# Altium PCB sna_pcb.PcbDoc (continued)
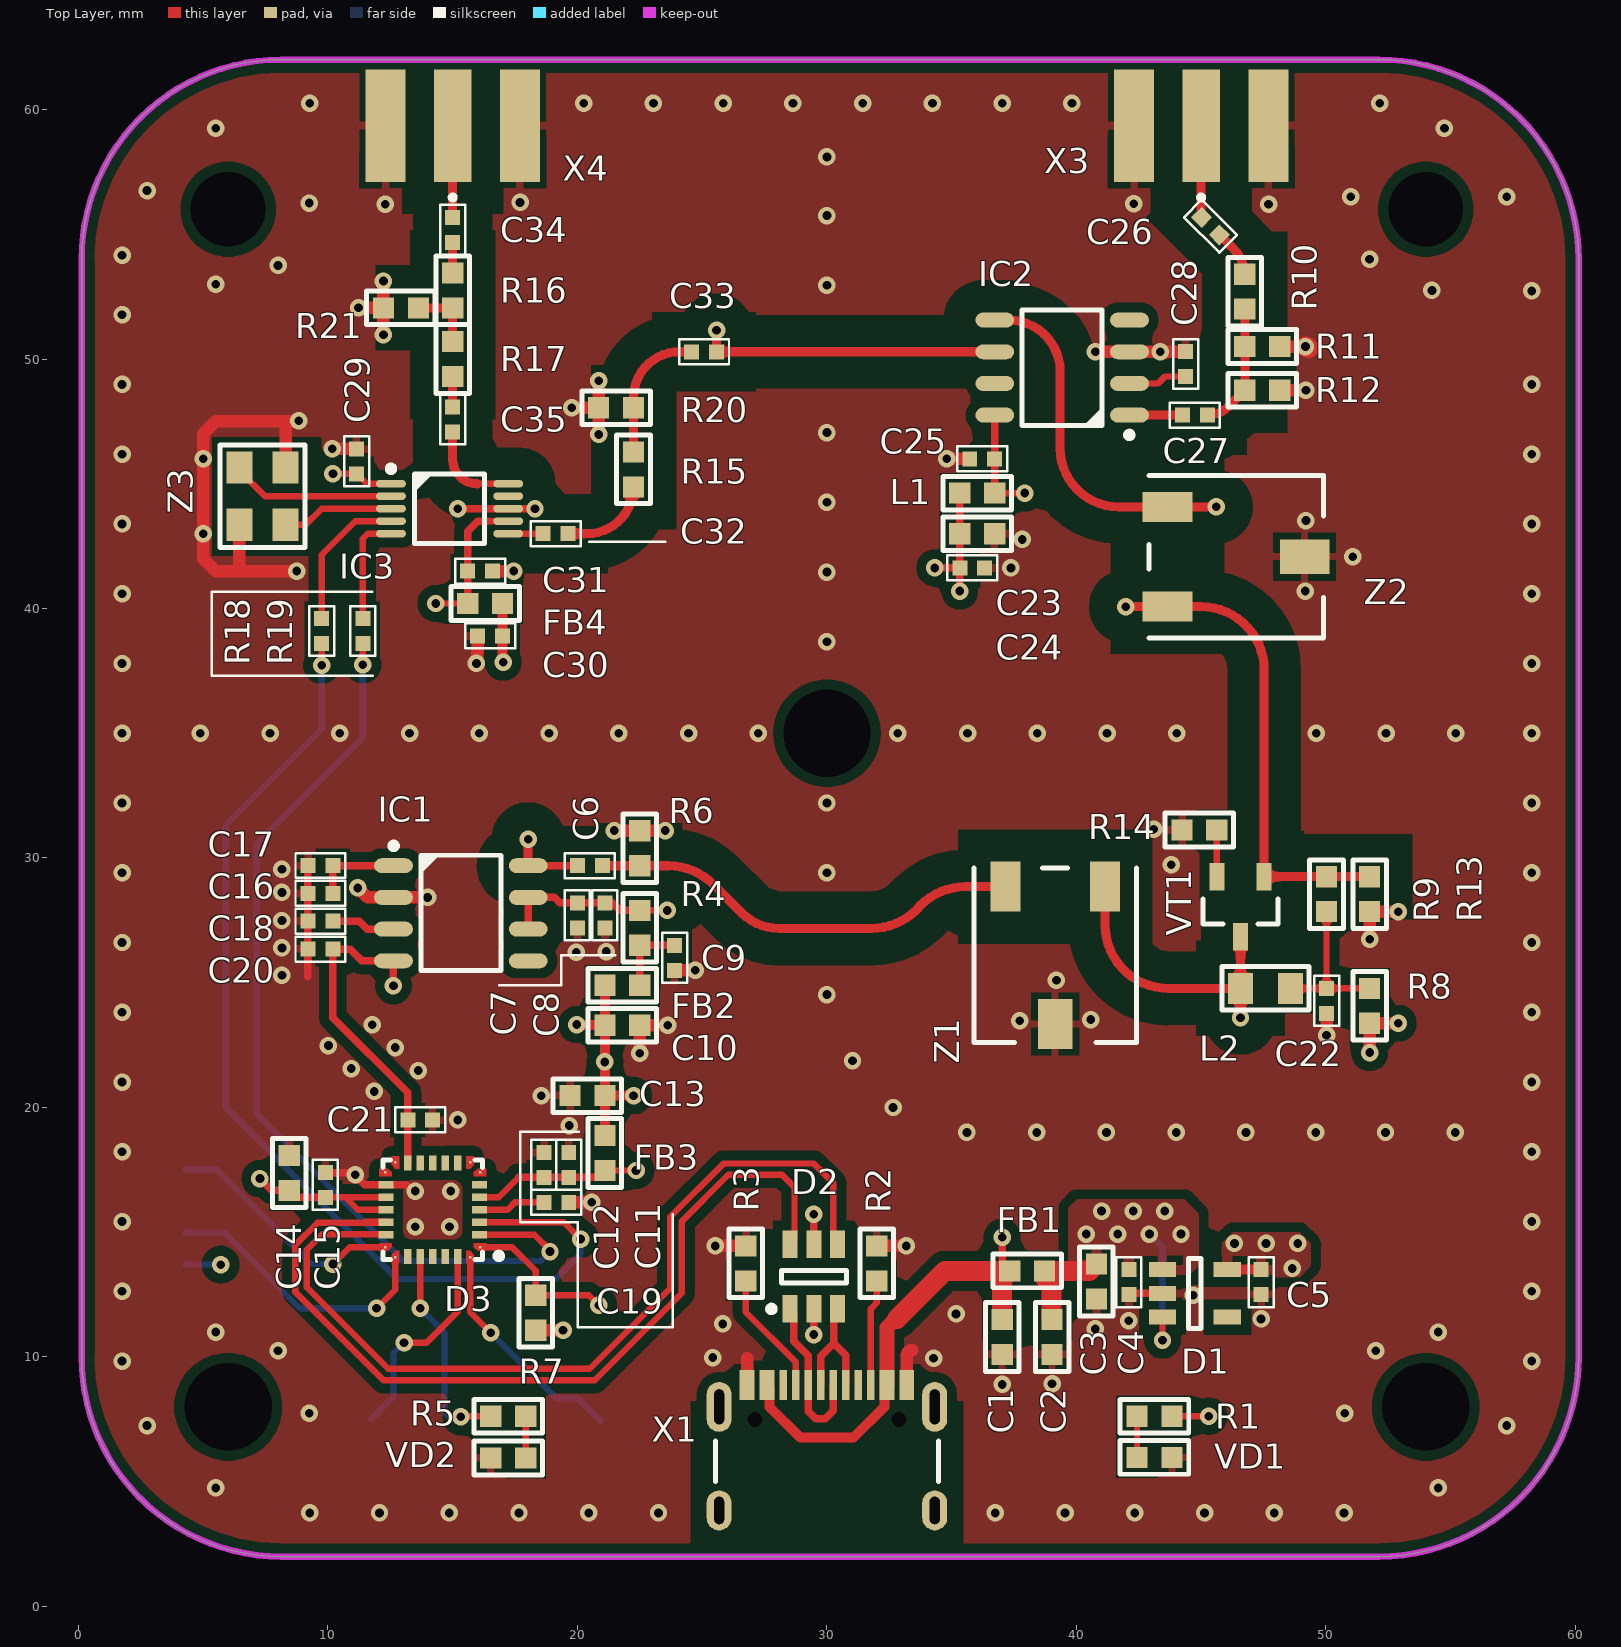
[diagram p0: Top Layer view]
## Part data (continued)

## Free pads (board coordinates)
  round 1.524 hole 3.5 unplated: 14(6,8) 14(30,35) 14(54,8)
  round 1.524 hole 3 unplated: 14(6,56) 14(54,56)

## Via types
v1: diameter 0.7, hole 0.35, Top Layer to Bottom Layer, tented both sides, 192 vias
v2: diameter 0.7, hole 0.35, Top Layer to Bottom Layer, 47 vias

## Nets (pads, with @x,y where several pads share a name; then routed paths per layer and width w, separated by ;. In a path a pad name is that pad's centre, name@x,y a point inside that pad or via, vN(x,y) a via of type N, cw(c..) or ccw(c..) an arc to the next point about the centre after c; other vN are vias at no path point)
+3.3V: C5.1 C10.1 C13.1 C14.1 C15.1 C29.1 C30.1 D1.5 D3.17 D3.18 FB2.1 FB3.1 FB4.2 IC3.1 R1.2 TP8.1 X2.1 | length 24.6
  Top Layer w0.254: C14.1 8.725,16.4 8.9,16.4 ; C15.1 10.7,16.4 ; v2(10.2,45.4) C29.1 11.55,45 IC3.1 ; D3.18 11.2,15.9 10.7,16.4 ; D3.17 10.7,16.4 ; R1.2 v2(45.3,7.625)
  Top Layer w0.3: v2(7.275,17.15) 7.75,16.675 C14.1 ; 8.9,16.4 C15.1
  Top Layer w0.4: v2@17,37.875 C30.1 FB4.2 ; v2(19.975,23.325) 20,23.3 C10.1 ; FB3.1 C13.1 ; FB2.1 21.1,24.475 C10.1 ; v2@22.275,20.5 cw(c22.25,20.5) v2(22.25,20.475) C13.1 ; D1.5 C5.1 ; C13.1 v2(21.1,21.825) C10.1
  Bottom Layer w0.254: X2.1 5.69,13.71 v2(5.7,13.7)
  other v2: 48.65,13.55 46.333,14.55 47.6,14.55 48.867,14.55 17.025,37.85
+3.3VA: C11.1 C12.1 D3.5 FB3.2 TP7.1 | length 6.7
  Top Layer w0.254: D3.5 16.85,16.4 17.65,17.2 ; FB3.2 v2(22.35,17.475)
  Top Layer w0.3: 17.65,17.2 C12.1 C11.1 20.825,17.2 FB3.2
+5V: C2.1 C3.1 C4.1 C23.1 C24.1 D1.1 D1.3 FB1.1 L1.2 R8.2 TP1.1 | length 16.9
  Top Layer w0.254: v2(43.45,10.675) D1.3
  Top Layer w0.3: v2(34.325,41.625) C24.1 ; v2(35.325,40.7) C24.1 ; L1.2 C23.1 C24.1
  Top Layer w0.5: v2(51.752,22.202) R8.2 v2(52.9,23.375)
  Top Layer w0.8: C2.1 39,11.525 39,12.891 38.75,13.141 38.75,13.425 FB1.1 40.525,13.45 C3.1
  Bottom Layer w0.254: v2(42.925,14.925) 43.45,14.4 v2(43.45,10.675)
  other v2: 40.392,14.925 41.658,14.925 44.192,14.925 41.008,15.85 42.275,15.85 43.542,15.85
+VSYS: C1.1 D2.5 FB1.2 X1.A4 X1.B4 | length 28.1
  Top Layer w0.3: D2.5 v2(29.475,15.725) ; FB1.2@37.025,13.5 v2(37.025,14.8)
  Top Layer w0.4: X1.A4 27.7,8.775 27.7,8 28.931,6.769 31.069,6.769 32.3,8 32.3,8.775 X1.B4
  Top Layer w0.6: X1.B4 32.4,11.174 32.751,11.525 32.8,11.525
  Top Layer w0.8: 32.8,11.525 34.725,13.45 37.025,13.45 FB1.2 37.025,13.15 C1.1
  PWR w0.254: v2(29.475,15.725) 36.1,15.725 v2(37.025,14.8)
ADC_POWER: C20.1 C21.1 D3.13 IC1.4 TP9.1 | length 13.4
  Top Layer w0.3: v2(12.627,24.875) IC1.4 11.364,25.88 10.894,26.35 C20.1 10.2,23.6 13.2,20.6 C21.1 D3.13
BOOT0: D3.1 R7.2 TP6.1 | length 6.3
  Top Layer w0.254: D3.1 17.377,14.4 18.327,13.45 R7.2 20.45,12.475 v2(20.85,12.075)
CLK0: C35.1 IC3.10 | length 3.9
  Top Layer w0.254: 15.975,45 IC3.10
  Top Layer w0.363: C35.1 15,45.975 ccw(c15.975,45.975) 15.975,45
CLK2: C32.2 IC3.6 | length 1.4
  Top Layer w0.254: IC3.6 C32.2
GND: C1.2 C2.2 C3.2 C4.2 C5.2 C7.2 C8.2 C9.2 C10.2 C11.2 C12.2 C13.2 C14.2 C15.2 C16.2 C17.2 C18.2 C19.2 C20.2 C21.2 C22.2 C23.2 C24.2 C25.2 C28.1 C29.2 C30.2 C31.2 D1.2 D2.2 D3.16 IC1.2 IC2.3 IC3.8 R2.1 R3.1 R6.1 R7.1 R11.1 R12.1 R13.1 R14.1 R20.1 R21.1 VD1.2 VD2.2 X1.A1 X1.B1 X2.3 X3.2 X4.2 Z1.3 Z2.3 Z3.2 Z3.4 | length 64.9
  Top Layer w0.3: 9.2,25.233 C18.2 C16.2 C17.2 ; C15.2 9.925,17.375 11.025,17.375 v1(11.1,17.3) 11.1,17.276 11.476,16.9 D3.16 13.142,16.9 13.392,16.65 v1(13.5,16.65) ; v1(15.2,44) IC3.8 v1(18.3,44) ; 16,38.6 C30.2 ; v1(29.475,10.9) D2.2 ; C4.2 42.15,12.55 D1.2
  Top Layer w0.5: Z3.2 6.452,41.502 6.45,41.5 ; Z3.4 8.302,47.498 8.3,47.5 ; v1(8.75,41.5) 6.45,41.5 ; v1(8.825,47.525) 8.8,47.5 8.3,47.5 ; v1(10.175,46.4) C29.2 ; v1(11.2,28.8) 11.213,28.8 11.593,28.42 IC1.2 v1(13.995,28.42) ; v1(11.225,52.05) R21.1 ; v1(12.225,50.975) v1(12.225,53.125) ; v1(15.95,37.8) 15.988,37.838 15.988,38.23 16,38.241 16,38.6 ; C31.2 v1(17.45,41.5) ; R7.1 v1(19.425,11.075) ; C19.2 v1(20.575,16.2) ; v1(19.775,48.05) R20.1 ; v1(20.85,46.975) R20.1 ; v1(20.85,49.125) R20.1 ; v1(21.475,31.1) 21.485,31.09 R6.1@22.485,31.09 ; v1(22.5,22.175) C10.2 v1(23.625,23.3) ; R6.1@22.5,31.075 R6.1@22.485,31.09 ; v1(23.525,31.1) 23.515,31.09 R6.1@22.485,31.09 ; C9.2 v1(24.725,25.5) ; v1(25.525,14.45) R3.1 ; X1.A1 26.8,9.95 ; R2.1 v1(33.175,14.45) ; X1.B1 33.2,10.05 cw(c33.425,10.05) 33.425,10.275 ; v1(34.8,46) C25.2 ; v1(40.76,50.29) IC2.3 v1(43.36,50.29) 44.065,50.29 44.075,50.3 C28.1 ; R12.1 v1(49.2,48.75) ; R11.1 v1(49.179,50.5) ; v1(50.025,22.9) C22.2 ; v1(51.752,26.748) R13.1 v1(52.9,27.85) ; 6.45,41.5 5.5,41.5 5,42 v1(5,43) v1(5,46) 5,47 5.5,47.5 8.3,47.5
  Top Layer w0.8: v1(49.179,50.5) cw(c49.179,50.329) v1@49.3,50.45
  other v1: 9.271,3.75 12.067,3.75 14.863,3.75 17.658,3.75 20.454,3.75 23.25,3.75 36.75,3.75 39.546,3.75 42.342,3.75 45.137,3.75 47.933,3.75 50.729,3.75 5.5,4.75 54.5,4.75 2.75,7.25 57.25,7.25 9.25,7.75 50.75,7.75 37.025,8.9 39.025,8.925 1.75,9.838 58.25,9.838 34.275,9.95 25.425,9.975 8,10.25 52,10.25 5.5,11 54.5,11 40.75,11.125 25.825,11.325 42.1,11.45 47.4,11.525 35.175,11.725 44.675,12.475 1.75,12.633 58.25,12.633 13.5,15.225 14.875,15.225 1.75,15.429 58.25,15.429 14.925,16.65 1.75,18.225 58.25,18.225 35.613,19 38.408,19 41.204,19 44,19 46.796,19 49.592,19 52.387,19 55.183,19 19.675,19.275 15.2,19.5 32.65,20 18.55,20.475 11.859,20.642 1.75,21.021 58.25,21.021 13.619,21.481 10.94,21.561 31.025,21.875 12.699,22.4 10.02,22.48 11.78,23.319 37.725,23.475 40.575,23.525 1.75,23.817 58.25,23.817 30,24.525 39.2,25.1 8.155,25.295 19.95,26.225 21.15,26.25 8.155,26.395 1.75,26.613 58.25,26.613 8.155,27.495 8.155,28.62 1.75,29.408 30,29.408 58.25,29.408 8.155,29.545 43.8,29.725 43.1,31.15 1.75,32.204 30,32.204 58.25,32.204 1.75,35 4.883,35 7.679,35 10.475,35 13.271,35 16.067,35 18.863,35 21.658,35 24.454,35 27.25,35 32.842,35 35.637,35 38.433,35 41.229,35 44.025,35 49.617,35 52.412,35 55.208,35 58.25,35 1.75,37.796 58.25,37.796 30,38.663 1.75,40.592 58.25,40.592 49.175,40.7 30,41.458 37.375,41.625 51.075,42.075 37.83,42.77 1.75,43.387 58.25,43.387 49.2,43.525 30,44.254 1.75,46.183 58.25,46.183 30,47.05 1.75,48.979 58.25,48.979 1.75,51.775 58.25,52.729 54.25,52.75 30,52.954 5.5,53 8,53.75 51.75,54 1.75,54.162 30,55.75 12.3,56.2 47.7,56.2 42.3,56.225 9.25,56.25 17.7,56.275 51,56.5 57.25,56.5 2.75,56.75 30,58.1 5.5,59.25 54.75,59.25 9.271,60.25 20.25,60.25 23.046,60.25 25.842,60.25 28.637,60.25 31.433,60.25 34.229,60.25 37.025,60.25 39.821,60.25 52.162,60.25
IN_A: C27.2 IC2.1 | length 2.1
  Top Layer w0.363: IC2.1 43.95,47.75 C27.2
IN_B: C28.2 IC2.2 | length 2.4
  Top Layer w0.254: IC2.2 43.27,49.02 43.55,49.3 C28.2
INM: C16.1 C17.1 IC1.1 | length 3.4
  Top Layer w0.3: C16.1 C17.1@10.2,29.6 ; C17.1@10.21,29.69 IC1.1
INP: C6.2 IC1.8 TP2.1 | length 3
  Top Layer w0.3: IC1.8 C6.2
  Top Layer w0.363: IC1.8 v2(18.027,30.75)
LO_OSC: C33.1 IC2.6 TP15.1 | length 12
  Top Layer w0.363: v2(25.575,51.15) C33.1 IC2.6
NetC6_1: C6.1 R6.2 Z1.2 | length 17.5
  Top Layer w0.363: C6.1 R6.2 23.643,29.69 cw(c23.643,27.15) 25.439,28.946 26.59,27.795 ccw(c28.086,29.291) 28.086,27.175 28.088,27.175 31.767,27.175 ccw(c31.767,29.766) 33.756,28.106 cw(c35.552,26.31) 35.552,28.85 Z1.2
NetC7_1: C7.1 C8.1 IC1.6 IC1.7 R4.1 TP3.1 | length 7.1
  Top Layer w0.254: R4.1 v2(23.6,27.9)
  Top Layer w0.3: IC1.6 IC1.7 19.08,28.42 19.3,28.2 C8.1 21.4,28.2 21.7,27.9 R4.1
NetC9_1: C9.1 FB2.2 R4.2 | length 3
  Top Layer w0.3: FB2.2 R4.2 23.6,26.5 C9.1
NetC22_1: C22.1 L2.1 R8.1 R9.2 | length 6.2
  Top Layer w0.254: L2.1 C22.1 ; R9.2@50.025,27.82 C22.1 ; R8.1 C22.1
NetC25_1: C25.1 IC2.8 L1.1 TP10.1 | length 4.3
  Top Layer w0.254: L1.1 v2(37.925,44.625)
  Top Layer w0.3: L1.1 36.725,45.05 36.727,45.052 IC2.8
NetC26_1: C26.1 X3.1 | length 3.7
  Top Layer w0.363: C26.1@45,55.7 45,55.825 45.021,55.846 45,55.868 X3.1
NetC26_2: C26.2 R10.1 | length 1.9
  Top Layer w0.363: C26.2@45.738,54.971 45.817,54.892 46.3,54.41 cw(c45.217,53.322) 46.718,53.644 R10.1
NetC27_1: C27.1 R10.2 R11.2 R12.2 | length 5.1
  Top Layer w0.363: C27.1 ccw(c45.25,48.957) 46.104,48.104 R12.2 R11.2 R10.2
NetC31_1: C31.1 FB4.1 IC3.7 TP14.1 | length 6
  Top Layer w0.254: v2@14.275,40.25 v2(14.325,40.2) FB4.1 ; 16.4,43.5 IC3.7
  Top Layer w0.3: FB4.1 C31.1 15.6,43.1 16,43.5 16.4,43.5
NetC32_1: C32.1 R15.1 | length 3.7
  Top Layer w0.363: C32.1 20.375,43 ccw(c20.375,44.875) R15.1
NetC33_2: C33.2 R15.2 R20.2 | length 5.5
  Top Layer w0.363: R15.2 R20.2@22.25,47.965 ; R20.2 22.25,48.455 cw(c24.085,48.455) 24.085,50.29 C33.2
NetC34_1: C34.1 R16.2 | length 1.2
  Top Layer w0.363: R16.2 C34.1
NetC34_2: C34.2 X4.1 | length 3.7
  Top Layer w0.363: C34.2 X4.1
NetC35_2: C35.2 R17.1 | length 1.2
  Top Layer w0.363: C35.2 R17.1
NetD3_2: D3.2 R19.1 | length 38.1
  Top Layer w0.254: v2(11.4,37.75) R19.1 ; D3.2 18.075,14.9 18.275,14.9 18.9,14.275 v2(18.9,14.225) v2@18.925,14.225
  Bottom Layer w0.254: v2(11.4,37.75) 11.4,34.825 7.15,30.575 7.15,19.725 13.025,13.85 18.525,13.85 v2(18.9,14.225)
NetD3_3: D3.3 R18.1 | length 42.6
  Top Layer w0.254: v2(9.75,37.725) R18.1 ; D3.3 19.45,15.4 v2(20.125,14.725)
  Bottom Layer w0.254: v2(9.75,37.725) 9.75,35.175 5.9,31.325 5.9,20 12.775,13.125 19.125,13.125 20.125,14.125 v2(20.125,14.725)
NetD3_24: D3.24 R5.2 | length 8.6
  Top Layer w0.254: v2(13.7,11.95) D3.24 ; v2(15.325,7.6) 15.35,7.625 R5.2
  Bottom Layer w0.254: v2(13.7,11.95) 14.675,10.975 14.675,7.773 14.824,7.625 15.3,7.625 v2(15.325,7.6)
NetIC3_4: IC3.4 R18.2 | length 5.9
  Top Layer w0.254: R18.2 9.75,42.15 11.1,43.5 IC3.4
NetIC3_5: IC3.5 R19.2 | length 4.4
  Top Layer w0.254: R19.2 11.4,42.8 11.6,43 IC3.5
NetL2_2: L2.2 TP11.1 VT1.3 Z1.1 | length 11.7
  Top Layer w0.363: Z1.1 41.15,27.315 ccw(c43.69,27.315) 43.69,24.775 L2.2 ; v2(46.577,23.602) L2.2 ; VT1.3 L2.2
NetR1_1: R1.1 VD1.1 | length 1.6
  Top Layer w0.254: VD1.1 R1.1
NetR2_2: R2.2 X1.B5 | length 4.3
  Top Layer w0.254: X1.B5 31.75,11.925 32,12.175 R2.2
NetR3_2: R3.2 X1.A5 | length 5
  Top Layer w0.254: R3.2 26.75,11.8 28.75,9.8 X1.A5
NetR5_1: R5.1 VD2.1 | length 1.7
  Top Layer w0.254: VD2.1 R5.1
NetR9_1: R9.1 R13.2 TP13.1 VT1.1 Z2.2 | length 19.5
  Top Layer w0.363: v2(41.975,40.075) Z2.2 44.987,40.075 cw(c44.987,37.535) 47.527,37.535 VT1.1 49.202,29.25 R9.1 R13.2
NetR14_2: R14.2 VT1.2 | length 1.9
  Top Layer w0.254: VT1.2 R14.2
NetR16_1: R16.1 R17.2 R21.2 | length 2.9
  Top Layer w0.363: R21.2 R16.1@15.127,52.05 ; R17.2 R16.1
NRST: C19.1 D3.4 | length 2.7
  Top Layer w0.254: D3.4 17.2,15.9 17.5,16.2 C19.1
OFS: C18.1 IC1.3 | length 2.6
  Top Layer w0.3: C18.1 11.258,27.467 11.575,27.15 IC1.3
OUT_B: IC2.5 TP12.1 Z2.1 | length 14.5
  Top Layer w0.363: IC2.5 37.29,51.56 cw(c37.29,49.5) 39.35,49.5 39.35,46.415 ccw(c41.69,46.415) 41.69,44.075 Z2.1 v2(45.6,44.075)
SWCLK: D3.22 X2.2 | length 11.3
  Top Layer w0.254: v2(11.95,11.95) 12.7,12.7 D3.22
  Bottom Layer w0.254: X2.2 5.845,14.98 8.875,11.95 v2(11.95,11.95)
SWDIO: D3.21 X2.4 | length 9.9
  Top Layer w0.254: v2(10.2,13.725) 10.875,14.4 D3.21
  Bottom Layer w0.254: X2.4 5.53,17.52 9.325,13.725 v2(10.2,13.725)
UART1_RX: D3.28 TP5.1 | length 9.2
  Top Layer w0.254: D3.28 15.7,11.8 v2(16.525,10.975)
  Bottom Layer w0.254: v2(16.525,10.975) 19.15,8.35 20.025,8.35 TP5.1
UART1_TX: D3.27 TP4.1 | length 8.5
  Top Layer w0.254: v2(13.05,10.575) 13.95,10.575 15.2,11.825 D3.27
  Bottom Layer w0.254: TP4.1 12.625,8.4 12.625,10.15 v2(13.05,10.575)
USB_CON_N: D2.1 X1.A7 X1.B7 | length 6.7
  Top Layer w0.3: D2.1 28.675,11.775 28.675,10.625 29.25,10.05 X1.B7
  Top Layer w0.304: X1.B7 29.25,7.825 29.55,7.525 29.925,7.525 30.25,7.85 X1.A7
USB_CON_P: D2.3 X1.A6 X1.B6 | length 5.2
  Top Layer w0.3: X1.A6 29.75,10.025 30.275,10.55 30.275,11.775 D2.3
  Top Layer w0.304: 30.275,10.55 30.75,10.075 X1.B6
USB_N: D2.6 D3.19 | length 35
  Top Layer w0.254: 11.491,15.377 9.585,15.377 8.696,14.488 8.696,12.604 12.229,9.071 20.688,9.071 24.179,12.562 24.179,15.429 26.05,17.3 28.2,17.3 28.698,16.802 28.698,14.698 D2.6
  Top Layer w0.304: 11.491,15.377 11.514,15.4 D3.19
USB_P: D2.4 D3.20 | length 35.3
  Top Layer w0.254: D3.20 12.302,14.923 9.773,14.923 9.15,14.3 9.15,12.792 12.417,9.525 20.5,9.525 23.725,12.75 23.725,15.617 25.862,17.754 29.471,17.754 30.25,16.975 30.25,15.097 30.252,15.095 30.252,14.698 D2.4
XA: IC3.2 Z3.1 | length 6.6
  Top Layer w0.254: Z3.1 6.452,45.525 7.477,44.5 11.4,44.5 IC3.2
XB: IC3.3 Z3.3 | length 4.5
  Top Layer w0.254: Z3.3 9.1,43.35 9.75,44 11.475,44 IC3.3
pads on no net: D1. D1.4 D2. D3.6 D3.7 D3.8 D3.9 D3.10 D3.11 D3.12 D3.14 D3.15 D3.23 D3.25 D3.26 IC1.5 IC1.28 IC2.4 IC2.7 IC2.28 IC3. IC3.9 VT1. X1.A8 X1.B8 X1.MH X2.5 Z3.

## Polygon pours and split planes (outlines as drawn)
GND on Top Layer "NONET_L-01_P-001" (solid, remove dead copper, pour order 56): 0.127,10 0.127,54 cw(c8.127,54) 8.127,62 52.127,62 cw(c52.127,54) 60.127,54 60.127,10 cw(c52.127,10) 52.127,2 8.127,2 cw(c8.127,10)
GND on Top Layer "Top Layer-GND 1" (solid, pour order 48): 4.875,22.975 7.15,20.7 7.15,18.3 11.225,14.225 16.275,14.225 20.2,18.15 20.2,20.025 16.525,23.7 16.525,30.475 15.525,31.475 7.2,31.475 4.875,29.15
GND on Top Layer "NONET_L-01_P-001" (solid, pour order 29): 57.127,32 57.127,51 ccw(c56.127,51) 56.127,52 54.127,52 cw(c54.127,56) 50.127,56 ccw(c47.127,56) 47.127,59 13.127,59 ccw(c13.127,56) 10.127,56 cw(c6.127,56) 6.127,52 ccw(c6.127,49) 3.127,49 3.127,32 0.127,32 0.127,53.999 cw(c8.128,53.999) 8.128,62 52.126,62 cw(c52.126,53.999) 60.127,53.999 60.127,32
GND on Top Layer "Top Layer-GND 2" (solid, pour order 55): 23.907,33 cw(c23.97,28.97) 28,29.033 28,27.75 32,27.75 32,29 cw(c36,29) 36,33 54.125,33 cw(c54.125,30) 57.125,30 58.2,30 58.2,40 57.125,40 cw(c54.125,40) 54.125,37 36,37 cw(c36,41) 32,41 32,56 cw(c35,56) 35,59 35,59.65 25,59.65 25,59 cw(c25,56) 28,56 28,41 cw(c24,41) 24,37 6.125,37 cw(c6.125,40) 3.125,40 2,40 2,30 3.125,30 cw(c6.125,30) 6.125,33
GND on Top Layer "Top Layer-No Net" (solid, pour order 33): 57.125,14 58,14 58,24 57.125,24 cw(c54.125,24) 54.125,21 52.75,21 36,21 cw(c36,25) 32,25 32,33.25 28,33.25 28,24.75 ccw(c35.75,24.75) 35.75,17 52,17 54.125,17 cw(c54.125,14)
GND on Top Layer "NONET_L-01_P-001" (solid, pour order 37): 44.375,28.85 42.475,26.95 40.7,26.95 39.65,28 39.65,29.75 42.075,32.175 44.15,32.175 44.375,31.95
GND on Top Layer "Top Layer-GND" (solid, pour order 39): 42.825,38.15 43.65,38.975 43.65,41.175 42.975,41.85 40.3,41.85 39,43.15 36.3,43.15 36.3,42.625 36.175,42.5 36.175,40.7 38.725,38.15
GND on Top Layer "NONET_L-01_P-001" (solid, pour order 30): 3.127,32 3.127,13 ccw(c4.127,13) 4.127,12 6.127,12 cw(c6.127,8) 10.127,8 ccw(c13.127,8) 13.127,5 47.127,5 ccw(c47.127,8) 50.127,8 cw(c54.127,8) 54.127,12 ccw(c54.127,15) 57.127,15 57.127,32 60.127,32 60.127,10.001 cw(c52.126,10.001) 52.126,2 8.128,2 cw(c8.128,10.001) 0.127,10.001 0.127,32
GND on Top Layer "NONET_L-01_P-001" (solid, pour order 45): 39.529,10.275 40.129,10.875 40.129,12.725 48.379,12.725 48.504,12.6 48.504,10.925 47.229,9.65 41.954,9.65 40.754,8.45 36.579,8.45 35.904,9.125 35.904,10.125 36.054,10.275
GND on Top Layer "NONET_L-01_P-001" (solid, pour order 44): 19.525,27.5 19.525,26.075 19.75,25.85 21.325,25.85 21.575,26.1 21.575,27.3 21.375,27.5 19.625,27.5
+3.3V on Top Layer "NONET_L-01_P-001" (solid, pour order 43): 45.825,14.55 46.275,15 48.95,15 49.4,14.55 49.4,13.65 48.95,13.2 47.975,13.2 45.825,13.2
+5V on Top Layer "NONET_L-01_P-001" (solid, pour order 42): 39.675,13.3 44.55,13.3 44.9,13.65 44.9,15.75 44.325,16.325 40.025,16.325 39.675,15.975
GND on Top Layer "NONET_L-01_P-001" (solid, pour order 35): 9.5,30 7.9,30 7.4,29.5 7.4,25.375 7.85,24.925 9.5,24.925
no net on Top Solder "Top Layer-No Net" (solid): 57.125,14 58,14 58,24 57.125,24 cw(c54.125,24) 54.125,21 52.75,21 36,21 cw(c36,25) 32,25 32,25.7 28,25.7 28,24.75 ccw(c35.75,24.75) 35.75,17 52,17 54.125,17 cw(c54.125,14)
no net on Top Solder (solid, pour order 60): 54.125,33 49.016,33 49.016,37 54.125,37 ccw(c54.125,40) 57.125,40 58.2,40 58.2,30 57.125,30 ccw(c54.125,30)
no net on Top Solder (solid, pour order 60): 28,56 28,51.779 32,51.779 32,56 cw(c35,56) 35,59 35,59.65 25,59.65 25,59 cw(c25,56)
no net on Top Solder (solid, pour order 60): 36,33 46.038,33 46.038,37 36,37 cw(c36,41) 32,41 32,48.801 28,48.801 28,41 cw(c24,41) 24,37 6.125,37 cw(c6.125,40) 3.125,40 2,40 2,30 3.125,30 cw(c6.125,30) 6.125,33 23.907,33 cw(c23.97,28.97) 28,29.033 28,28.65 32,28.65 32,29 cw(c36,29)
no net on Top Solder "NONET_L-01_P-001" (solid, pour order 8): 57.127,32 57.127,51 ccw(c56.127,51) 56.127,52 54.127,52 cw(c54.127,56) 50.127,56 ccw(c47.127,56) 47.127,59 13.127,59 ccw(c13.127,56) 10.127,56 cw(c6.127,56) 6.127,52 ccw(c6.127,49) 3.127,49 3.127,32 0.127,32 0.127,53.999 cw(c8.128,53.999) 8.128,62 52.126,62 cw(c52.126,53.999) 60.127,53.999 60.127,32
no net on Top Solder "NONET_L-01_P-001" (solid, pour order 7): 3.127,32 3.127,13 ccw(c4.127,13) 4.127,12 6.127,12 cw(c6.127,8) 10.127,8 ccw(c13.127,8) 13.127,5 47.127,5 ccw(c47.127,8) 50.127,8 cw(c54.127,8) 54.127,12 ccw(c54.127,15) 57.127,15 57.127,32 60.127,32 60.127,10.001 cw(c52.126,10.001) 52.126,2 8.128,2 cw(c8.128,10.001) 0.127,10.001 0.127,32
+3.3V on PWR "NONET_L-01_P-001" (solid, pour order 41): 45.85,14.6 45.85,13.425 45.3,12.875 33.825,12.875 27.475,19.225 27.475,37.3 18.975,45.8 9.525,45.8 8.127,44.402 8.127,37.527 3.475,32.875 3.475,14.15 11.475,6.15 45.925,6.15 49.775,10 49.775,14.5 49.25,15.025 46.275,15.025
+5V on PWR "NONET_L-01_P-001" (solid, pour order 40): 44.9,14.9 44.9,16.3 49.764,21.164 52.806,21.181 54.725,23.1 54.725,40.525 47.575,47.675 34.45,47.675 32.762,45.988 32.762,21.364 39.552,14.575 44.575,14.575
no net on Bottom Solder "NONET_L-01_P-001" (solid): 3.127,32 3.127,13 ccw(c4.127,13) 4.127,12 6.127,12 cw(c6.127,8) 10.127,8 ccw(c13.127,8) 13.127,5 47.127,5 ccw(c47.127,8) 50.127,8 cw(c54.127,8) 54.127,12 ccw(c54.127,15) 57.127,15 57.127,32 60.127,32 60.127,10.001 cw(c52.126,10.001) 52.126,2 8.128,2 cw(c8.128,10.001) 0.127,10.001 0.127,32
no net on Bottom Solder "NONET_L-01_P-001" (solid): 57.127,32 57.127,51 ccw(c56.127,51) 56.127,52 54.127,52 cw(c54.127,56) 50.127,56 ccw(c47.127,56) 47.127,59 13.127,59 ccw(c13.127,56) 10.127,56 cw(c6.127,56) 6.127,52 ccw(c6.127,49) 3.127,49 3.127,32 0.127,32 0.127,53.999 cw(c8.128,53.999) 8.128,62 52.126,62 cw(c52.126,53.999) 60.127,53.999 60.127,32
GND on Bottom Layer "NONET_L-01_P-001" (solid, remove dead copper, pour order 61): 0.127,10 0.127,54 cw(c8.127,54) 8.127,62 52.127,62 cw(c52.127,54) 60.127,54 60.127,10 cw(c52.127,10) 52.127,2 8.127,2 cw(c8.127,10)
GND on GND "NONET_L-01_P-001" (solid, pour order 36): 8.127,2 cw(c8.127,10) 0.127,10 0.127,54 cw(c8.127,54) 8.127,62 52.127,62 cw(c52.127,54) 60.127,54 60.127,10 cw(c52.127,10) 52.127,2

## Keep-outs
Keep-Out Layer:
  the board outline again, w0.254

## Other copper
Top Layer:
  pour cut-out: 5.35,46.875 9.75,46.875 9.75,42.1 5.35,42.1 5.35,46.85
  pour cut-out: 24.525,0.725 24.525,8.25 35.475,8.25 35.475,0.725

## Silkscreen, mask and mechanical layers (free items; w line width, h text height)
Top Overlay:
  lines w0.1: 11.775,40.675 5.35,40.675 5.35,37.312 11.8,37.312 ; 16.866,24.9 19.35,24.9 19.35,26.105 21.525,26.105 ; 20.05,19.025 17.7,19.025 17.7,18.475 17.7,15.4 20.005,15.4 20.005,11.2 23.25,11.2 23.825,11.2 23.825,15.725 ; 20.475,42.675 23.525,42.675
Bottom Overlay:
  region: 1778 vertices and 20 holes, not listed, extent 48.525,26.511 55.787,33.773
  text "Designed by Andrii Ivanchenko" at 48.975,54.4 h1.35
  text "Kyiv, Ukraine" at 48.975,51.8 h1.35
  text "JLCJLCJLC" at 56.175,50.775 h1 r90
  text "DIO" at 8.95,17.225 h1
  text "GND" at 8.95,15.733 h1
  text "CLK" at 8.95,14.242 h1
  text "3.3" at 8.95,12.75 h1
  text "v1.0" at 31.625,5.575 h1